# Altium PCB EPS_V2.PcbDoc (part 1 of 4) (continued)
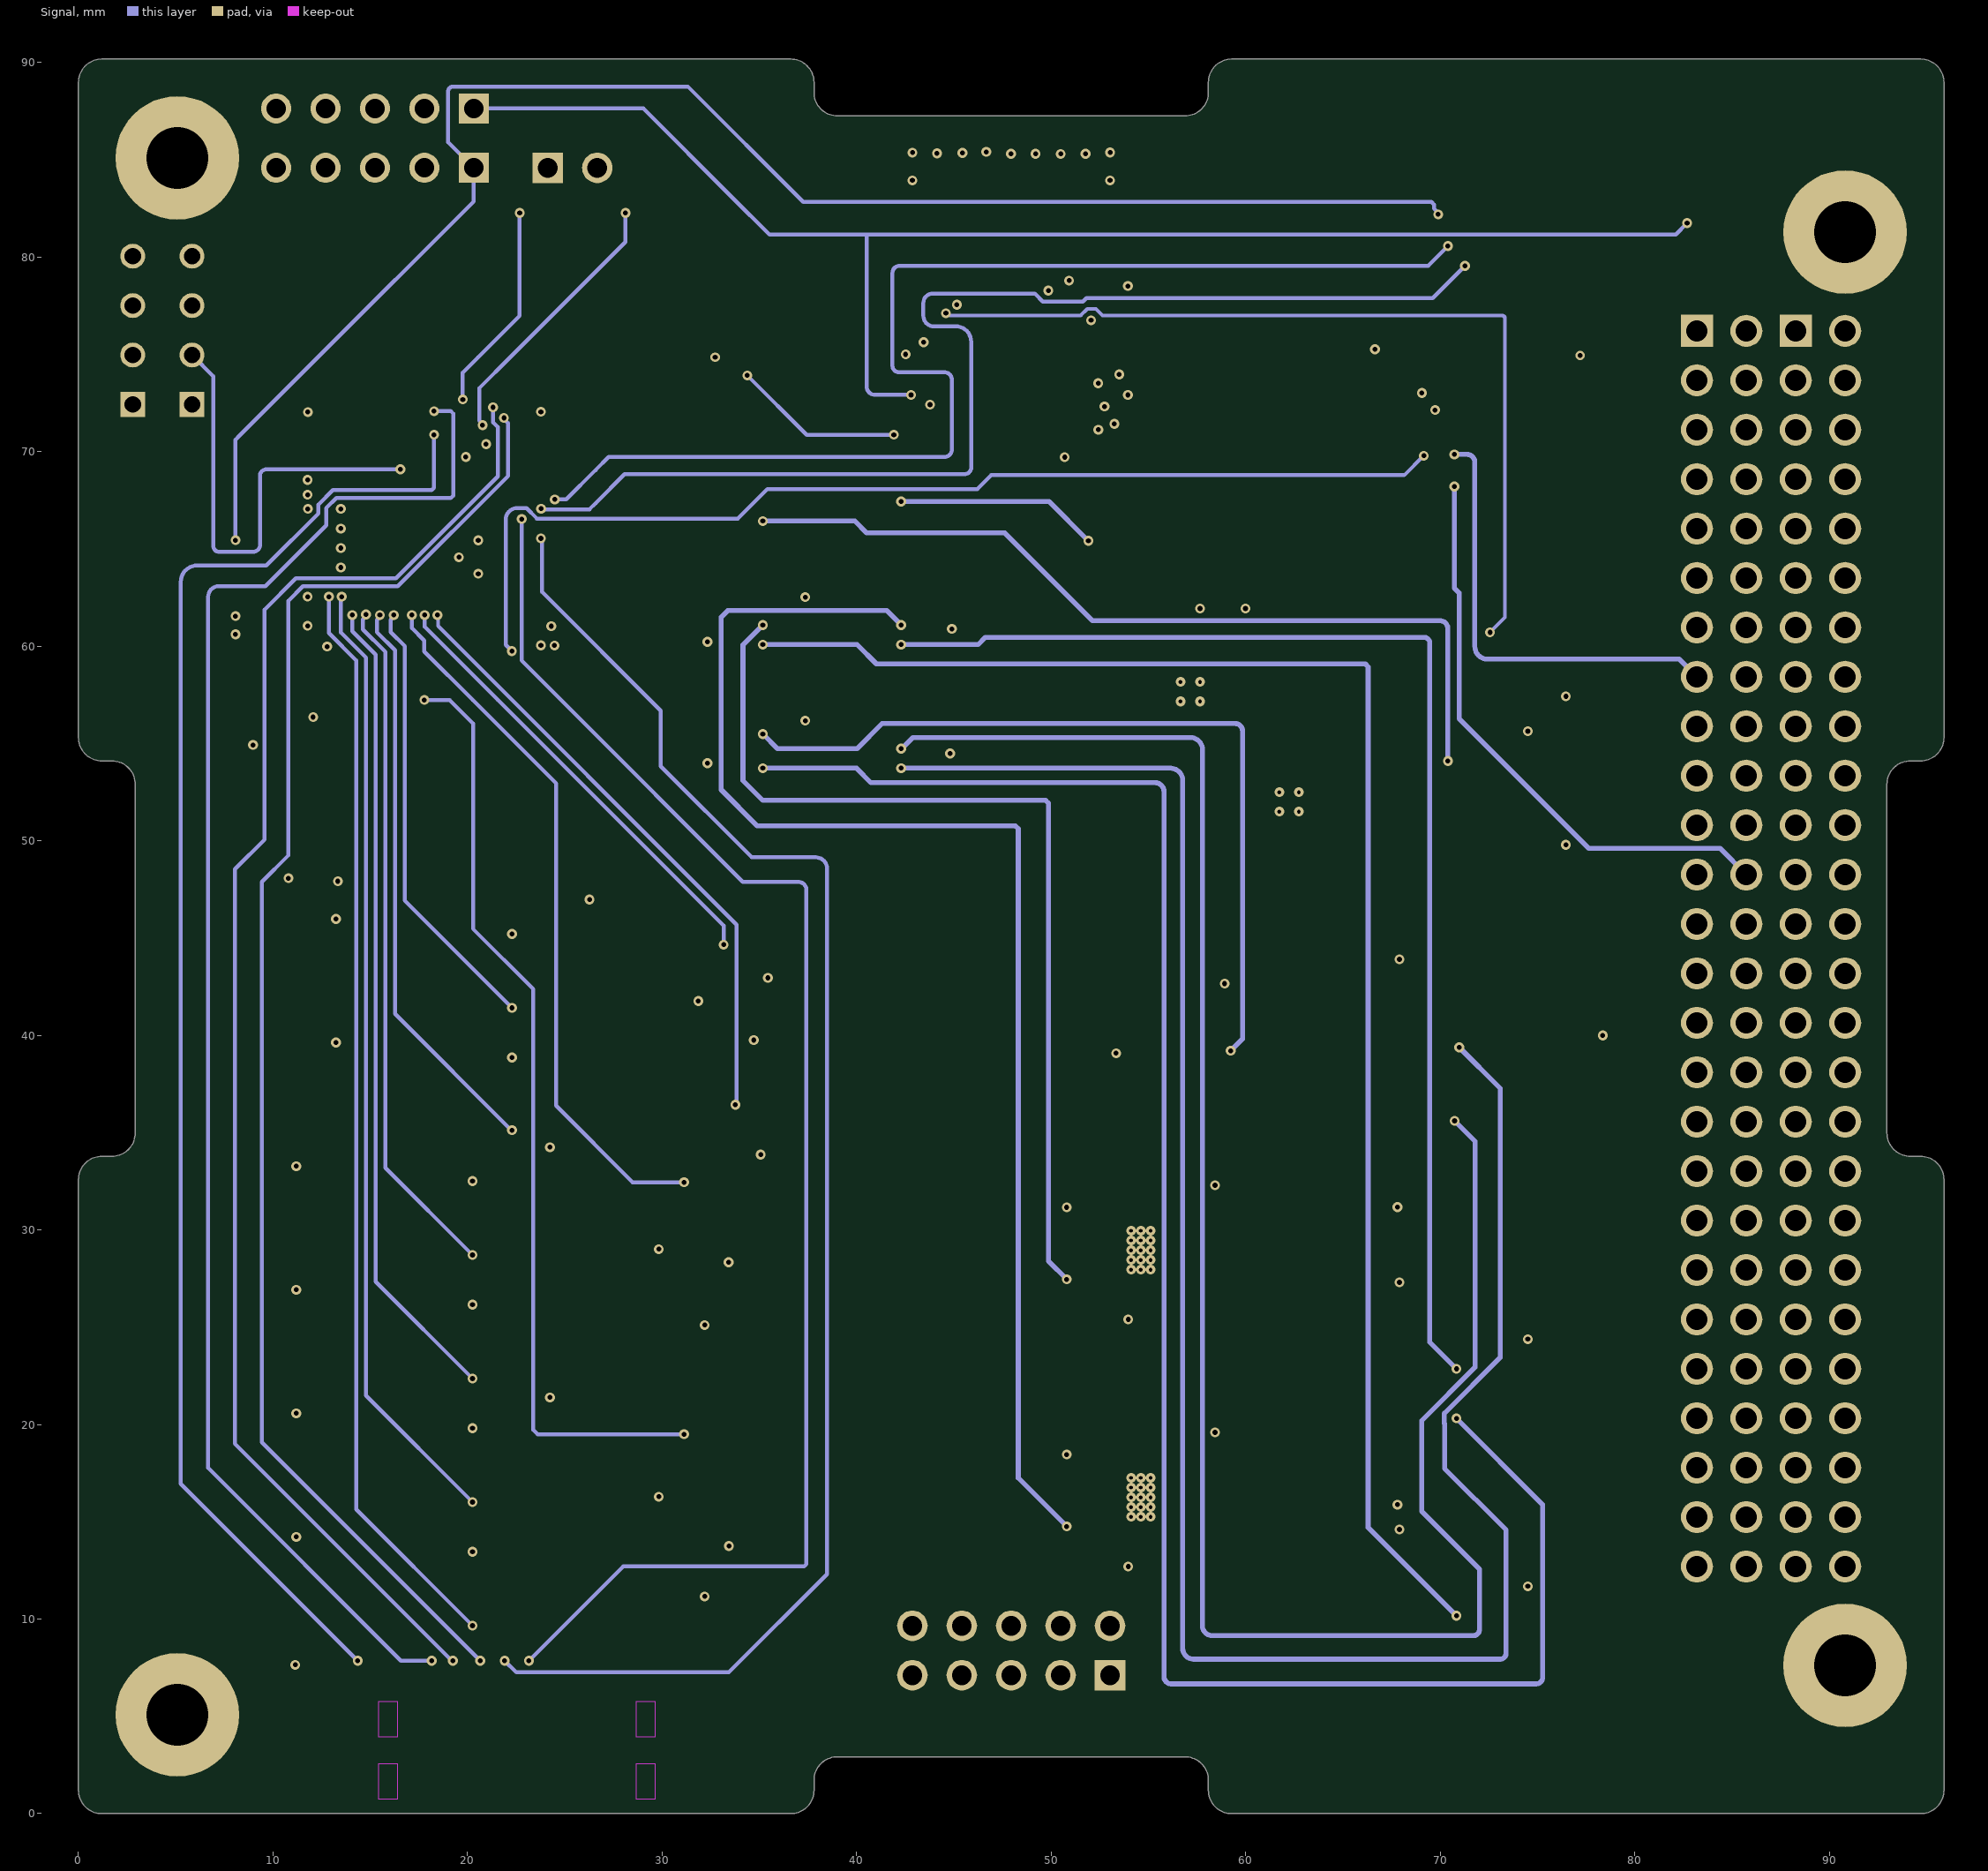
[diagram p4: Signal]
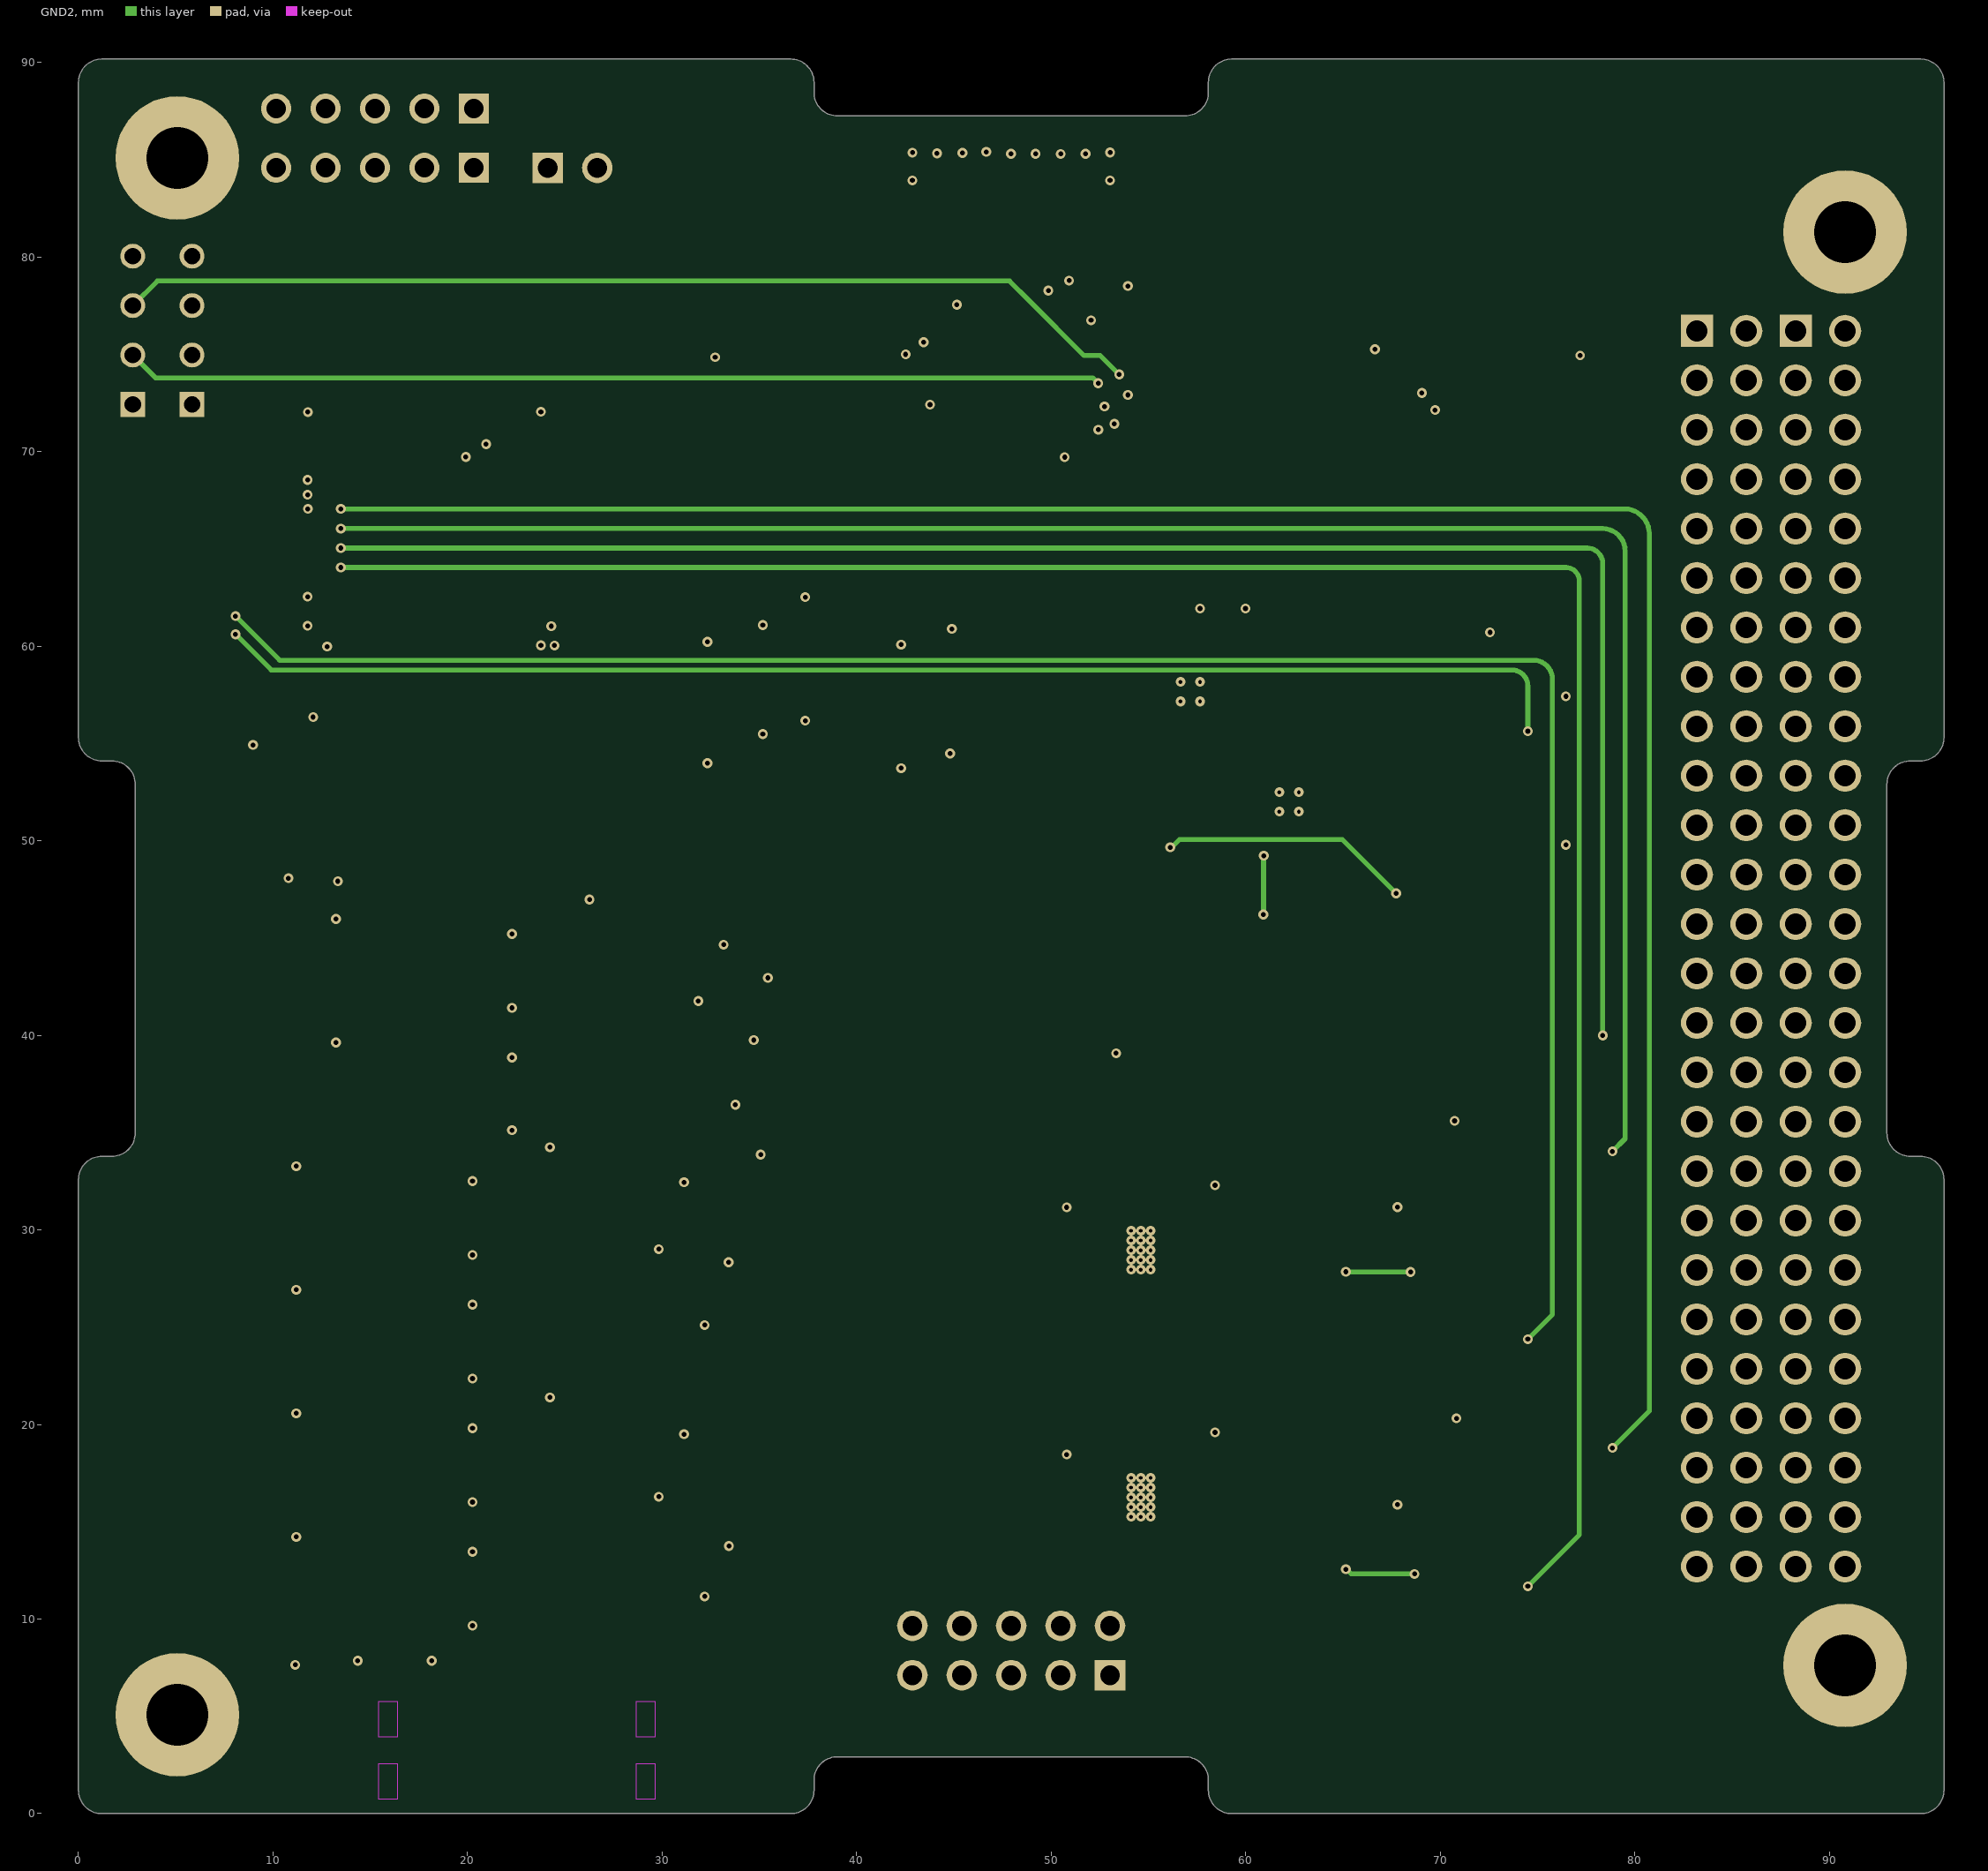
[diagram p5: GND2]
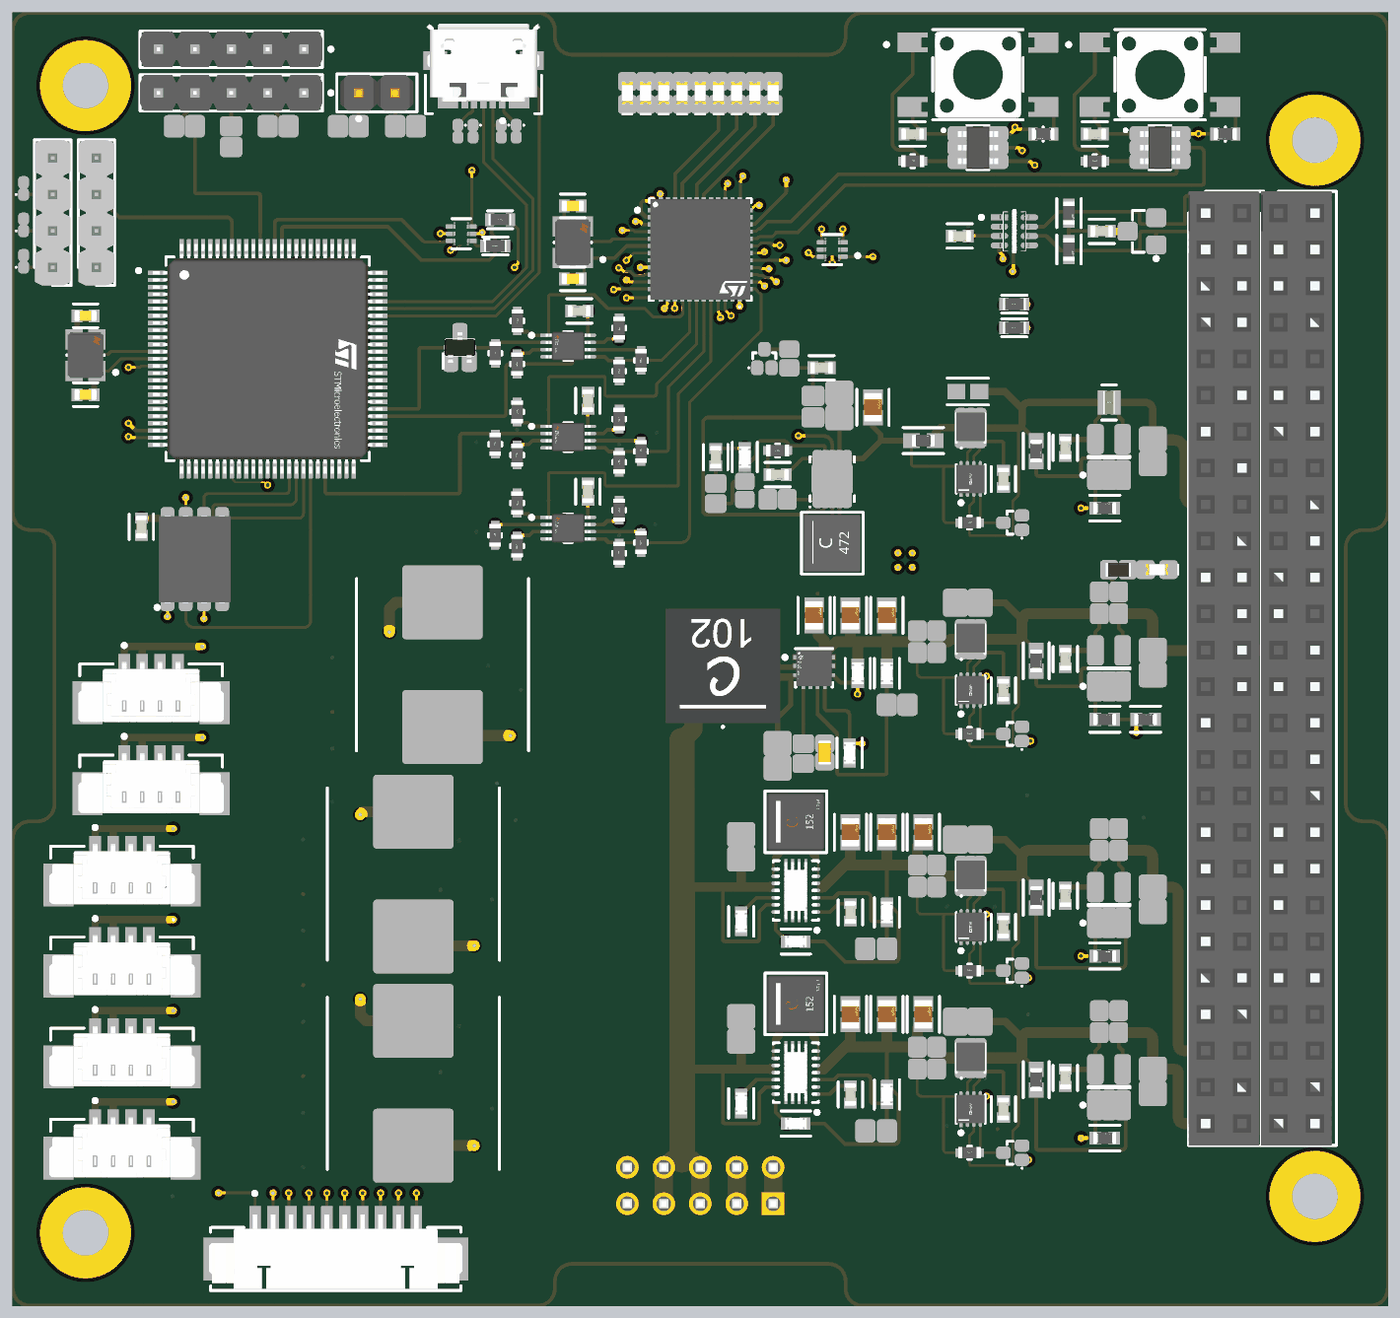
[diagram p9: 3D render of the assembled board from above, using the file's embedded part models]
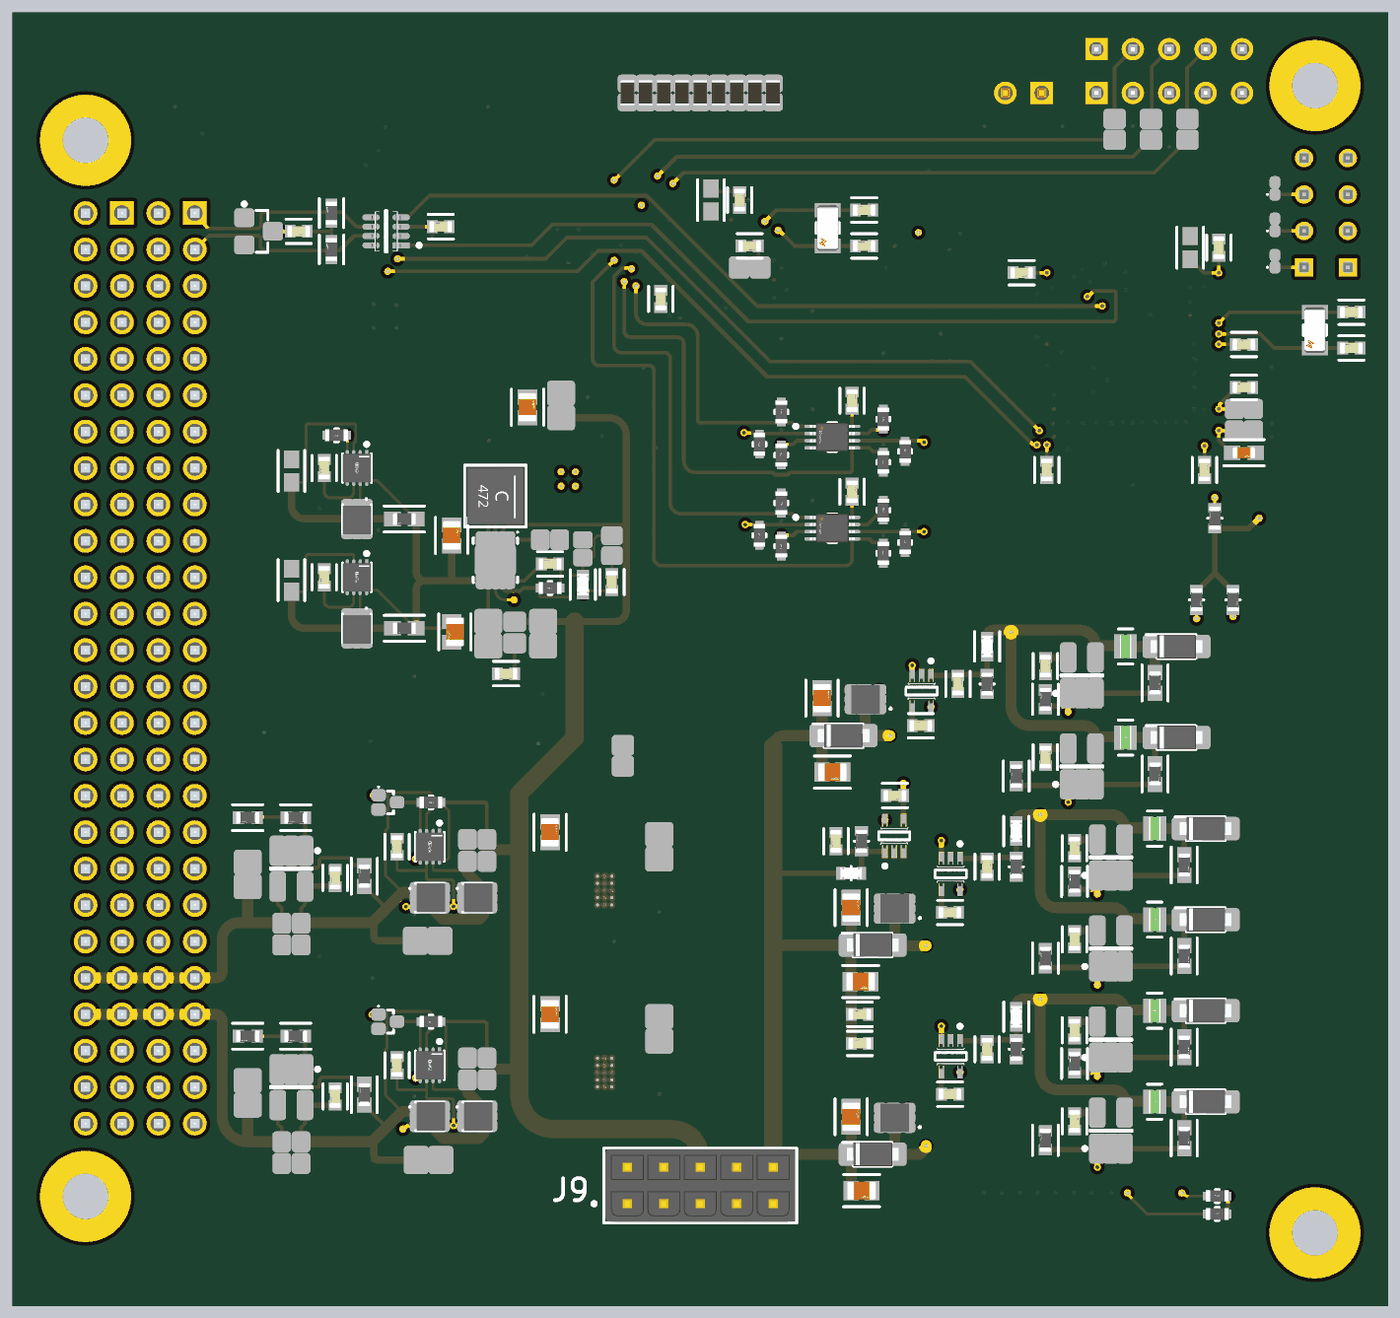
[diagram p10: 3D render of the assembled board from below, using the file's embedded part models]

## Layer stack, top to bottom
Top Solder: solder mask 0.0127, Solder Resist, Dk 3.3
Top Layer: signal copper 0.035
Dielectric 2: core 0.1524, PP-006, Dk 4.1
GND1: signal copper 0.035
Dielectric 4: prepreg 0.0711, PP-006, Dk 4.1
PWR: signal copper 0.0356
Dielectric1: core 0.762, FR-4, Dk 4.3
Signal: signal copper 0.0356
Dielectric 5: prepreg 0.0711, PP-006, Dk 4.1
GND2: signal copper 0.035
Dielectric 3: core 0.1524, PP-006, Dk 4.1
Bottom Layer: signal copper 0.035
Bottom Solder: solder mask 0.0127, Solder Resist, Dk 3.3

## Board outline
0,1.2 0,32.58 cw(c1.2,32.58) 1.2,33.78 1.72,33.78 ccw(c1.72,34.98) 2.92,34.98 2.92,52.9 ccw(c1.72,52.9) 1.72,54.1 1.2,54.1 cw(c1.2,55.3) 0,55.3 0,88.97 cw(c1.2,88.97) 1.2,90.17 36.61,90.17 cw(c36.61,88.97) 37.81,88.97 37.81,88.45 ccw(c39.01,88.45) 39.01,87.25 56.88,87.25 ccw(c56.88,88.45) 58.08,88.45 58.08,88.97 cw(c59.28,88.97) 59.28,90.17 94.69,90.17 cw(c94.69,88.97) 95.89,88.97 95.89,55.3 cw(c94.69,55.3) 94.69,54.1 94.16,54.1 ccw(c94.16,52.9) 92.96,52.9 92.96,34.98 ccw(c94.16,34.98) 94.16,33.78 94.69,33.78 cw(c94.69,32.58) 95.89,32.58 95.89,1.2 cw(c94.69,1.2) 94.69,0 59.28,0 cw(c59.28,1.2) 58.08,1.2 58.08,1.72 ccw(c56.88,1.72) 56.88,2.92 39.01,2.92 ccw(c39.01,1.72) 37.81,1.72 37.81,1.2 cw(c36.61,1.2) 36.61,0 1.2,0 cw(c1.2,1.2)

## Design rules (kind name [scope] priority, off if disabled: settings)
Clearance Clearance_2 [WithinRoom('sric')] p1: gap=0.203 ignorepadtopadclearanceinfootprint=TRUE
Clearance Clearance_1 [WithinRoom('pmic')] p2: gap=0.152 ignorepadtopadclearanceinfootprint=TRUE
Clearance [All] p3: gap=0.241 ignorepadtopadclearanceinfootprint=TRUE
DiffPairsRouting [All] p1: maxlimit=0.254 minlimit=0.254 mostfreqgap=0.254 toplayer_minwidth=0.254 toplayer_maxwidth=0.254 toplayer_prefwidth=0.254 midlayer1_minwidth=0.254 midlayer1_maxwidth=0.254 midlayer1_prefwidth=0.254 midlayer2_minwidth=0.254 midlayer2_maxwidth=0.254 midlayer2_prefwidth=0.254 midlayer3_minwidth=0.254 midlayer3_maxwidth=0.254 midlayer3_prefwidth=0.254 midlayer4_minwidth=0.254 midlayer4_maxwidth=0.254 midlayer4_prefwidth=0.254 bottomlayer_minwidth=0.254 bottomlayer_maxwidth=0.254 bottomlayer_prefwidth=0.254 maxuncoupledlength=12.7
HoleSize [All] p1: absolutevalues=TRUE maxlimit=7.62 minlimit=0.254 maxpercent=80.000 minpercent=20.000
MinimumAnnularRing [All] p1: minimumring=0.254
PasteMaskExpansion [All] p1: expansion=0.254
PlaneClearance [All] p1: clearance=0.381
PlaneConnect [All] p1: pad.planeconnectstyle=Relief pad.reliefexpansion=0.508 pad.reliefentries=4 pad.reliefconductorwidth=0.254 pad.reliefairgap=0.254 via.planeconnectstyle=Direct via.reliefexpansion=0.508 via.reliefentries=4 via.reliefconductorwidth=0.254 via.reliefairgap=0.254
PolygonConnect [All] p1: thpad.connectstyle=Relief thpad.reliefconductorwidth=0.254 thpad.reliefentries=4 thpad.polygonreliefangle="90 Angle" thpad.airgapwidth=0.254 smdpad.connectstyle=Relief smdpad.reliefconductorwidth=0.254 smdpad.reliefentries=4 smdpad.polygonreliefangle="90 Angle" smdpad.airgapwidth=0.254 via.connectstyle=Direct via.reliefconductorwidth=0.254 via.reliefentries=4 via.polygonreliefangle="90 Angle" via.airgapwidth=0.254
RoomDefinition sric [InComponentClass('Room Definition2')] p1: confinementstyle=ConfineIn formatcopy=TRUE lockcomponents=FALSE outline 43.066,69.556 43.066,77.764 52.049,77.764 52.049,69.556
RoomDefinition pmic [InComponentClass('Room Definition1') vs False] p2: confinementstyle=ConfineIn formatcopy=TRUE lockcomponents=FALSE outline 8.276,57.236 8.276,74.844 26.584,74.844 26.584,57.236
RoutingVias [All] p1: holewidth=0.254 width=0.508 viastyle="Through Hole" minholewidth=0.254 minwidth=0.508 maxholewidth=0.254 maxwidth=0.508
SMDNeckDown [All] p1: percent=100.000
SilkToSolderMaskClearance SilkscreenOverComponentPads [IsPad] p1: minsilkscreentomaskgap=0.254 clearancetoexposedcopper=TRUE
SolderMaskExpansion [All] p1: expansion=0.254 istentingtop=FALSE
SupplyNets "Schematic Supply Nets" [InNet('VDD_SR')] p1: voltage=0.000
SupplyNets "Schematic Supply Nets_4" [InNet('VDD_EPS')] p2: voltage=0.000
SupplyNets "Schematic Supply Nets_3" [InNet('GND')] p3: voltage=0.000
Width Width_1 [WithinRoom('pmic')] p1: maxlimit=0.508 minlimit=0.127 preferedwidth=0.203
Width [All] p2: maxlimit=1.778 minlimit=0.127 preferedwidth=0.381
24 further rules are at their usual default settings.

## Classes and differential pairs
component class "Room Definition2": U15
component class "Room Definition1": U18
net class "SOLAR PWR": NetD13_XY_2 NetD13_YZ_2 NetD13_ZX_2 NetD15_XY_2 NetD15_YZ_2 NetD15_ZX_2 NetL5_XY_1 NetL5_YZ_1 NetL5_ZX_1 Vout_Panels
net class PWR: 3V3_1 3V3_2 5V0 UNREG_1 UNREG_2 VDD_MCU
channel class Panels: XY YZ ZX
component class ZX: C83_ZX C85_ZX C87_ZX C104_ZX D13_ZX D14_ZX D15_ZX J6_ZX J7_ZX L5_ZX R117_ZX R118_ZX R119_ZX R120_ZX R121_ZX R122_ZX R123_ZX R124_ZX U29_ZX U30_ZX U31_ZX U32_ZX
component class YZ: C83_YZ C85_YZ C87_YZ C104_YZ D13_YZ D14_YZ D15_YZ J6_YZ J7_YZ L5_YZ R117_YZ R118_YZ R119_YZ R120_YZ R121_YZ R122_YZ R123_YZ R124_YZ U29_YZ U30_YZ U31_YZ U32_YZ
component class XY: C83_XY C85_XY C87_XY C104_XY D13_XY D14_XY D15_XY J6_XY J7_XY L5_XY R117_XY R118_XY R119_XY R120_XY R121_XY R122_XY R123_XY R124_XY U29_XY U30_XY U31_XY U32_XY
component class U_SolarMppt: C88 C89 C90 C91 C92 C93 C94 C95 C96 C97 R125 R126 U33
component class U_Ports: D17 D18 D19 D20 J8 J9 J10 R128 R129
component class N: C44_N C45_N C46_N C47_N Q10_N Q11_N Q12_N R49_N R50_N R51_N R53_N R54_N R55_N R56_N R57_N U13_N U14_N
component class M: C44_M C45_M C46_M C47_M Q10_M Q11_M Q12_M R49_M R50_M R51_M R53_M R54_M R55_M R56_M R57_M U13_M U14_M
component class 5V0_VoltageReg: C34 C35 C36 C37 C38 C39 C40 C41 C42 C43 L4 Q8 Q9 R36 R37 R38 R39 R40 R41 R42 R43 R44 R45 R46 R47 R48 U10 U11 U12
component class B: C23_B C24_B C25_B C26_B C27_B C28_B C29_B C30_B C31_B C32_B C33_B L3_B Q6_B Q7_B R25_B R26_B R27_B R28_B R29_B R30_B R31_B R32_B R33_B R34_B R35_B U7_B U8_B U9_B
component class A: C23_A C24_A C25_A C26_A C27_A C28_A C29_A C30_A C31_A C32_A C33_A L3_A Q6_A Q7_A R25_A R26_A R27_A R28_A R29_A R30_A R31_A R32_A R33_A R34_A R35_A U7_A U8_A U9_A
component class U_SRIC_Peripherals: C52 C53 C54 C55 C56 D13 D14 D15 D16 D21 D22 D23 J1 J5 R60 R61 R62 R63 R64 R117 R118 R119 R120 SW1 U17 Y1 Y2
component class U_3V3_SRIC_EPS: C1 C2 C3 C4 C5 C6 C7 C8 C9 C10 C11 L1 Q1 Q2 R1 R2 R3 R4 R5 R6 R7 R8 R9 U1 U2 U3
component class SRIC: C48 C49 C50 C51 C98 R58 R59 U15 U16
component class PMIC_Watchdog: C67 R67 R68 SW2 U20
component class PMIC_Debug: D1 D2 D3 D4 D5 D6 D7 D8 J2 J3 J4 R69 R70 R71 R72 R73 R74 R75 R76 R77 R78
component class PMIC_Crystal: C68 C69 C70 C71 Y3 Y4
component class PC104: D10 H1 H2 R110
component class PMIC: R65 R66 U19
component class CAN2: C81 C82 D12 R115 R116 U28
component class CAN1: C79 C80 D11 R113 R114 U27
channel class UnRegPower: M N
channel class 3V3_VoltageReg: A B
component class U_3V3_MCU: C12 C13 C14 C15 C16 C17 C18 C19 C20 C21 C22 L2 Q3 Q4 Q5 R10 R11 R12 R13 R14 R15 R16 R19 R20 R21 R22 R24 U4 U5 U6
component class OR_Gate: C72 C73 C74 C75 C77 D9 R80 R81 R82 R83 R84 R85 R86 R87 R88 R89 R90 R91 R92 R93 R94 R95 R96 R97 R98 R99 R100 R101 R102 R103 R104 R105 R106 R107 R108 R109 U21 U22 U23 U24 U25
component class PMIC_Power: C57 C58 C59 C60 C61 C62 C63 C64 C65 C66 U18
component class Mram: C78 R111 R112 R127 U26

## Components (designator, comment, footprint, x,y, rotation, side; value= is the part's Value field where it differs from the comment)
C1 "10uF" CAPC2013X140X45NL15T25 62.73,46.867 r90 bottom locked
C2 "10uF" CAPC2013X140X45NL15T25 58.895,46.867 r90 bottom locked
C3 "3300pF" FP-C0603C-CF-MFG 61.487,44.081 r0 bottom locked value="3,300 pF"
C4 "560pF" FP-C0603C-CF-MFG 58.42,51.729 r180 bottom locked value="560 pF"
C5 "33pF" FP-C0603C-CF-MFG 54.102,50.467 r90 bottom locked value="33 pF"
C6 "22uF" FP-GRM21B-0_2-e0_2_0_7-IPC_C#1 65.057,46.992 r270 bottom locked
C7 "22uF" FP-GRM21B-0_2-e0_2_0_7-IPC_C#2 65.278,53.725 r90 bottom locked
C8 "0.1uF" FP-C0603C-CF-MFG 74.168,50.8 r90 bottom locked value="0.10 μF"
C9 "4.7uF" FP-GRM188-0_15-IPC_A 76.454,50.599 r90 bottom locked
C10 "0.1uF" FP-C0603C-CF-MFG 74.168,58.42 r90 bottom locked value="0.10 μF"
C11 "4.7uF" FP-GRM188-0_15-IPC_A 76.454,58.219 r90 bottom locked
C12 "10uF" CAPC2013X140X45NL15T25 57.65,62.782 r270 top locked
C13 "10uF" CAPC2013X140X45NL15T25 57.65,62.782 r270 bottom locked
C14 "3300pF" FP-C0603C-CF-MFG 56.407,65.407 r0 top locked value="3,300 pF"
C15 "560pF" FP-C0603C-CF-MFG 53.34,57.958 r180 top locked value="560 pF"
C16 "33pF" FP-C0603C-CF-MFG 49.022,59.182 r270 top locked value="33 pF"
C17 "22uF" FP-GRM21B-0_2-e0_2_0_7-IPC_C#2 59.988,62.658 r90 top locked
C18 "22uF" FP-GRM21B-0_2-e0_2_0_7-IPC_C#2 59.988,62.658 r90 bottom locked
C19 "0.1uF" FP-C0603C-CF-MFG 69.088,57.658 r270 top locked value="0.10 μF"
C20 "4.7uF" FP-GRM188-0_15-IPC_A 66.602,63.754 r180 top locked
C21 "0.1uF" FP-C0603C-CF-MFG 73.406,59.832 r270 top locked value="0.10 μF"
C22 "10uF" CAPC2013X140X45NL15T25 79.502,59.582 r90 top locked
C23_A "10uF" CAPC2013X140X45NL15T25 50.8,32.006 r270 bottom locked (schematic designator C23)
C23_B "10uF" CAPC2013X140X45NL15T25 50.8,19.306 r270 bottom locked (schematic designator C23)
C24_A "10uF" CAPC2013X140X45NL15T25 50.8,32.006 r270 top locked (schematic designator C24)
C24_B "10uF" CAPC2013X140X45NL15T25 50.8,19.306 r270 top locked (schematic designator C24)
C25_A "0.1uF" FP-C0603C-CF-MFG 58.42,27.432 r270 top locked value="0.10 μF" (schematic designator C25)
C25_B "0.1uF" FP-C0603C-CF-MFG 58.42,14.732 r270 top locked value="0.10 μF" (schematic designator C25)
C26_A "22uF" FP-GRM21B-0_2-e0_2_0_7-IPC_C#2 58.42,33.02 r90 top locked (schematic designator C26)
C26_B "22uF" FP-GRM21B-0_2-e0_2_0_7-IPC_C#2 58.42,20.32 r90 top locked (schematic designator C26)
C27_A "22uF" FP-GRM21B-0_2-e0_2_0_7-IPC_C#2 58.42,33.02 r90 bottom locked (schematic designator C27)
C27_B "22uF" FP-GRM21B-0_2-e0_2_0_7-IPC_C#2 58.42,20.32 r90 bottom locked (schematic designator C27)
C28_A "22uF" FP-GRM21B-0_2-e0_2_0_7-IPC_C#2 60.96,33.02 r90 top locked (schematic designator C28)
C28_B "22uF" FP-GRM21B-0_2-e0_2_0_7-IPC_C#2 60.96,20.32 r90 top locked (schematic designator C28)
C29_A "22uF" FP-GRM21B-0_2-e0_2_0_7-IPC_C#2 63.5,33.02 r90 top locked (schematic designator C29)
C29_B "22uF" FP-GRM21B-0_2-e0_2_0_7-IPC_C#2 63.5,20.32 r90 top locked (schematic designator C29)
C30_A "3300pF" FP-C0603C-CF-MFG 69.088,26.416 r270 top locked value="3,300 pF" (schematic designator C30)
C30_B "3300pF" FP-C0603C-CF-MFG 69.088,13.716 r270 top locked value="3,300 pF" (schematic designator C30)
C31_A "10uF" CAPC2013X140X45NL15T25 66.602,32.512 r0 top locked (schematic designator C31)
C31_B "10uF" CAPC2013X140X45NL15T25 66.602,19.812 r0 top locked (schematic designator C31)
C32_A "0.1uF" FP-C0603C-CF-MFG 73.406,28.59 r270 top locked value="0.10 μF" (schematic designator C32)
C32_B "0.1uF" FP-C0603C-CF-MFG 73.406,15.89 r270 top locked value="0.10 μF" (schematic designator C32)
C33_A "10uF" CAPC2013X140X45NL15T25 79.502,28.34 r90 top locked (schematic designator C33)
C33_B "10uF" CAPC2013X140X45NL15T25 79.502,15.64 r90 top locked (schematic designator C33)
C34 "10uF" CAPC2013X140X45NL15T25 53.34,38.354 r90 top locked
C35 "1uF" CAPC1608X90X35ML10T15 53.34,38.354 r90 bottom locked
C36 "10nF" CAPC1608X90X35LL10T15 56.63,38.579 r90 top locked
C37 "22uF" FP-GRM21B-0_2-e0_2_0_7-IPC_C#2 60.96,48.145 r90 top locked
C38 "22uF" FP-GRM21B-0_2-e0_2_0_7-IPC_C#2 58.42,48.145 r90 top locked
C39 "22uF" FP-GRM21B-0_2-e0_2_0_7-IPC_C#2 55.88,48.145 r90 top locked
C40 "3300pF" FP-C0603C-CF-MFG 69.088,42.926 r270 top locked value="3,300 pF"
C41 "10uF" CAPC2013X140X45NL15T25 66.602,49.022 r0 top locked
C42 "0.1uF" FP-C0603C-CF-MFG 73.406,45.1 r270 top locked value="0.10 μF"
C43 "10uF" CAPC2013X140X45NL15T25 79.502,44.85 r90 top locked
C44_M "3300pF" FP-C0603C-CF-MFG 69.088,32.004 r90 bottom locked value="3,300 pF" (schematic designator C44)
C44_N "3300pF" FP-C0603C-CF-MFG 69.088,16.764 r90 bottom locked value="3,300 pF" (schematic designator C44)
C45_M "10uF" CAPC2013X140X45NL15T25 66.952,25.45 r0 bottom locked (schematic designator C45)
C45_N "10uF" CAPC2013X140X45NL15T25 66.89,10.16 r0 bottom locked (schematic designator C45)
C46_M "0.1uF" FP-C0603C-CF-MFG 73.406,29.83 r90 bottom locked value="0.10 μF" (schematic designator C46)
C46_N "0.1uF" FP-C0603C-CF-MFG 73.406,14.59 r90 bottom locked value="0.10 μF" (schematic designator C46)
C47_M "10uF" CAPC2013X140X45NL15T25 79.502,30.08 r270 bottom locked (schematic designator C47)
C47_N "10uF" CAPC2013X140X45NL15T25 79.502,14.84 r270 bottom locked (schematic designator C47)
C48 "4.7uF" FP-GRM188-0_15-IPC_A 47.195,77.11 r270 bottom locked
C49 "0.1uF" FP-C0603C-CF-MFG 45.195,77.11 r270 bottom locked value="0.10 μF"
C50 "0.1uF" FP-C0603C-CF-MFG 50.695,70.21 r90 bottom locked value="0.10 μF"
C51 "1uF" CAPC1608X90X35ML10T15 44.495,72.41 r180 bottom locked
C52 "0.1uF" FP-C0603C-CF-MFG 75.46,81.722 r180 top locked value="0.10 μF"